# Altium PCB EVK-IRIS-W1.PcbDoc (part 5 of 9) (continued)
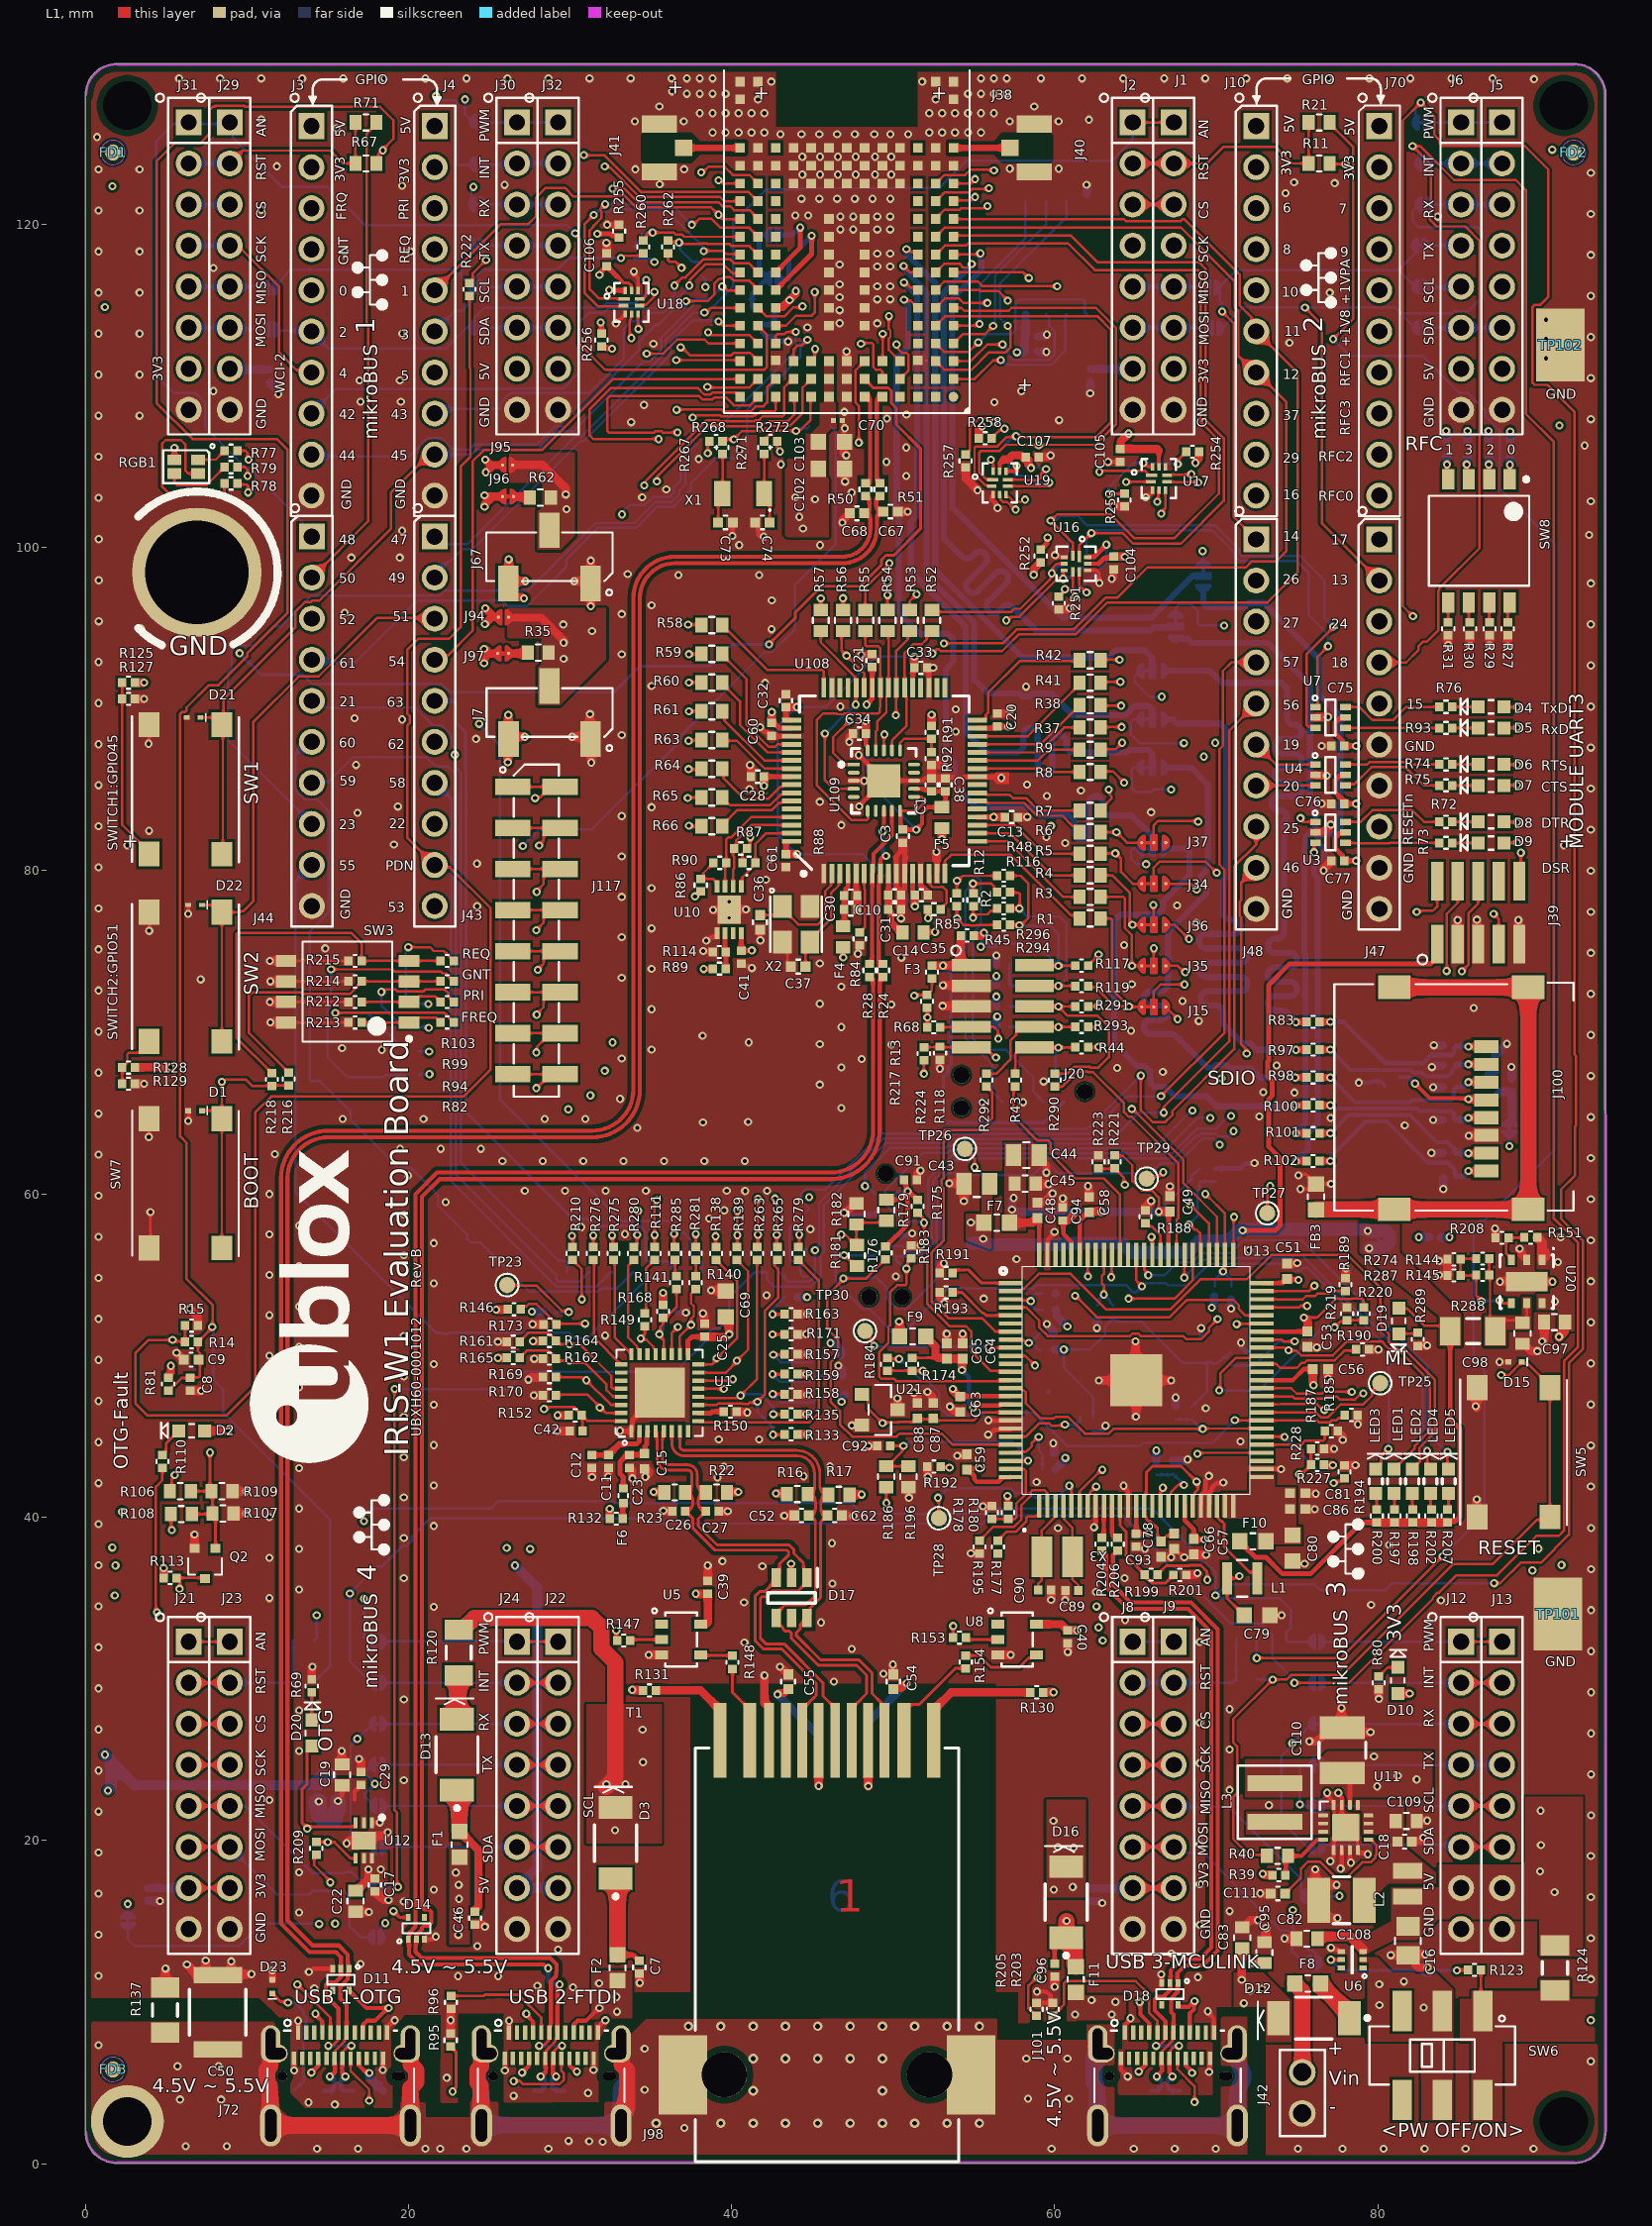
[diagram p0: L1 view]
## Nets (pads, with @x,y where several pads share a name; then routed paths per layer and width w, separated by ;. In a path a pad name is that pad's centre, name@x,y a point inside that pad or via, vN(x,y) a via of type N, cw(c..) or ccw(c..) an arc to the next point about the centre after c; other vN are vias at no path point) (continued)
  L6 w0.25: v1(46.963,58.826) 47.033,58.826 47.16,58.699 J33.9@48.893,58.699 J33.9@48.893,58.848 ; v1@78.847,66.878 U9.9@79.507,66.878 ; U9.9@79.441,66.87 79.466,66.895 79.616,66.895 79.691,66.97 80.166,66.97 80.441,66.695 U9.11@80.441,66.67
  L6 w0.277: J33.3@50.163,57.429 50.99,57.429 51.117,57.556 v1(51.179,57.556)
  L6 w0.301: C85.2@41.894,113.303 42.145,113.053 42.582,113.053 C84.2@42.691,112.943 42.706,112.943 42.918,112.731 v1(43.497,112.731) v1@43.551,112.731
  L6 w0.305: R167.2@36.591,52.671 36.604,52.658 37.169,52.658 v1(37.182,52.646) ; 59.598,47.738 59.612,47.752 ; R240.1@62.364,45.195 62.745,45.195 v1@63.168,45.618 ; v1(69.061,51.689) 69.064,51.686 69.064,51.159 69.067,51.156 ; R250.1@69.944,61.567 71.499,61.567 71.793,61.861 72.324,61.861 v1(72.363,61.9) ; v1(71.525,50.8) 71.564,50.761 71.564,50.499 71.794,50.269 R247.2@71.88,50.269
  L6 w0.501: R47.1@56.386,74.213 v2@56.386,74.743 ; C24.2@58.945,113.03 58.945,113.045 58.955,113.055 59.406,113.055 59.507,113.156 v1@59.509,113.156 ; C47.2@58.948,112.099 58.955,112.092 v1(59.485,112.09) v1(59.485,112.09) ; v1(61.974,122.428) 61.976,122.427 61.976,121.888 U2.4@62.004,121.859 ; v1@62.199,109.532 C4.1@62.2,110.221
  L6 w0.508: C6.1@3.873,16.251 v1@4.619,16.251 ; C2.1@11.405,110.205 11.42,110.205 11.426,110.199 11.426,110.184 11.939,109.67 v2@11.939,109.53 ; v1(46.605,49.369) 46.84,49.135 46.84,48.76 R156.2@46.846,48.754 ; v1(59.511,51.943) 59.92,51.533 R236.1@59.92,51.354 ; v1(59.917,44.577) 59.955,44.539 59.955,43.973 R234.2@59.961,43.967 ; R232.1@60.036,53.829 60.036,53.814 R232.1@60.042,53.808 ; C5.1@62.2,16.226 62.832,16.226 cw(c62.832,16.12) v1(62.938,16.12) ; v1(62.609,51.689) 62.609,52.186 R238.2@62.635,52.211 ; R230.2@67.295,43.489 68.151,43.489 v1(68.223,43.561) ; R242.2@67.486,46.869 v1(67.486,47.396) ; v1(70.917,52.895) R245.1@70.917,53.478 ; v1(83.31,62.535) C113.2@84.034,62.535 ; v1(83.336,67.843) 83.437,67.945 C100.2@83.996,67.945 ; v1(83.412,64.567) C112.2@84.034,64.567 ; v1(83.412,66.599) C101.2@84.034,66.6 C101.2@84.034,66.6 ; v1(83.463,69.19) 83.467,69.185 84.028,69.185 84.034,69.179 C99.2@84.034,69.164 ; C114.2@84.034,61 84.04,60.994 84.04,60.306 v1(84.047,60.3) ; C71.2@86.841,67.373 87.041,67.373 87.262,67.594 87.262,68.595 v1@87.959,69.291 ; v1@88.268,67.839 88.268,67.132 88.274,67.126 C72.2@88.289,67.126
  other v1: 13.818,3.785 26.518,4.191 31.115,4.369 22.377,5.309 22.612,8.871 77.695,18.254 77.06,18.711 18.238,21.106 73.254,22.174 79.578,34.569 60.648,34.851 83.896,34.849 59.772,34.877 78.938,36.603 43.688,37.106 75.467,37.118 80.696,38.278 60.198,39.319 58.877,42.164 71.501,44.679 63.143,45.644 78.763,45.742 69.34,46.736 86.054,46.863 80.034,50.368 64.995,50.868 32.182,51.232 55.601,53.518 42.164,53.721 87.552,54.566 90.803,54.566 50.163,54.889 57.633,55.956 72.009,56.515 33.399,57.506 44.88,57.81 30.707,57.937 38.606,58.471 39.546,58.979 40.842,60.173 77.093,60.621 51.689,61.437 3.933,63.517 81.661,64.236 6.372,64.507 55.499,65.666 58.039,65.666 78.815,66.878 59.309,66.954 88.264,67.851 18.359,68.91 15.895,69.012 87.98,69.28 7.146,73.266 50.509,74.613 14.854,75.184 42.127,79.439 42.381,80.709 3.957,82.461 65.966,83.609 41.111,85.027 48.214,85.551 47.869,87.141 76.521,87.705 42.078,91.611 60.931,96.232 40.05,100.7 34.466,103.099 35.965,103.581 43.051,105.131 63.295,105.283 37.971,105.461 59.739,105.681 40.486,105.994 47.013,107.361 46.976,108.371 90.403,111.687 90.403,112.881 59.511,113.157 44.699,113.604 32.841,113.86 46.685,113.868 49.017,113.858 90.403,114.075 46.685,114.668 49.017,115.344 49.817,115.344 46.685,115.468 49.017,116.144 49.817,116.144 46.685,116.268 33.956,117.06 49.017,117.376 49.817,117.376 46.685,117.5 49.017,118.176 49.817,118.176 32.254,118.838 46.731,119.662 47.531,119.662 49.017,119.662 49.817,119.662 32.305,119.956 46.731,120.462 47.531,120.462 49.017,120.462 49.817,120.462 43.946,120.529 44.746,120.529 44.331,121.562 45.431,121.562 46.531,121.562 47.631,121.562 48.731,121.562 49.831,121.562 35.555,122.46 44.381,123.062 45.481,123.062 46.581,123.062 47.681,123.062 48.881,123.062 49.881,123.062 34.046,123.388 37.069,123.388 57.222,123.424 60.244,123.424 44.381,124.162 45.481,124.162 46.581,124.162 47.681,124.162 48.881,124.162 49.881,124.162 43.031,125.562 44.331,125.562 45.431,125.562 46.531,125.562 47.631,125.562 48.831,125.562 49.831,125.562 50.931,125.562 41.231,125.662 42.031,125.662 52.231,125.662 53.031,125.662 53.831,125.662 34.017,126.35 37.04,126.35 57.217,126.35 60.24,126.35 62.112,126.454 38.031,126.862 38.831,126.862 39.631,126.862 40.431,126.862 41.231,126.862 42.031,126.862 52.231,126.862 53.031,126.862 53.831,126.862 54.631,126.862 55.431,126.862 56.231,126.862 35.531,127.278 58.731,127.278 41.631,127.712 52.631,127.712 37.231,128.062 38.031,128.062 38.831,128.062 39.631,128.062 54.631,128.062 55.431,128.062 56.231,128.062 57.031,128.062 42.462,128.812 51.8,128.812
  other v2: 75.047,0.92 77.807,0.92 80.347,0.92 82.887,0.92 85.427,0.92 89.627,0.92 93.174,6.328 93.174,8.868 93.174,11.408 0.822,11.62 93.174,13.948 0.822,14.16 93.174,16.488 0.822,16.7 93.174,19.028 0.822,19.24 93.193,21.539 0.822,21.78 93.193,24.079 0.822,24.32 93.193,26.619 0.822,26.86 93.193,29.159 0.822,29.4 93.193,31.699 0.822,31.94 93.193,34.239 0.822,34.48 93.193,36.779 0.822,37.02 93.193,39.319 0.822,39.56 93.174,41.888 0.822,42.1 93.174,44.428 0.822,44.64 93.174,46.968 0.822,47.18 93.174,49.508 0.822,49.72 93.174,52.048 0.822,52.26 93.174,54.588 0.822,54.8 93.174,57.128 0.822,57.34 93.174,59.668 0.822,59.88 93.174,62.208 0.822,62.42 93.174,64.748 0.822,64.96 93.174,67.288 0.822,67.5 93.174,69.828 0.822,70.04 85.925,71.492 93.174,72.368 0.822,72.58 56.388,74.744 93.174,74.908 0.822,75.12 93.174,77.448 0.822,77.66 24.257,77.798 93.174,79.988 0.822,80.2 24.247,80.43 2.607,81.567 91.507,81.567 19.106,81.604 93.174,82.528 0.822,82.74 16.847,83.577 19.349,83.963 93.174,85.068 0.822,85.28 16.761,86.536 93.174,87.608 0.822,87.82 24.185,88.148 19.618,89.344 16.675,89.424 93.174,90.148 0.822,90.36 58.226,91.376 93.174,92.688 0.822,92.9 42.478,94.932 93.174,95.228 0.837,95.423 16.062,95.948 42.492,96.715 93.174,97.768 0.837,97.963 16.469,99.364 19.466,99.364 0.837,100.503 93.076,100.761 19.618,101.028 93.174,102.848 0.822,103.06 0.822,105.6 92.796,106.298 33.786,107.742 60.271,107.865 93.174,107.928 0.822,108.14 3.362,108.14 34.584,108.81 56.257,108.983 11.947,109.486 7.934,109.664 57.933,109.663 93.174,110.468 0.822,110.68 3.362,110.68 35.164,112.597 93.174,113.008 0.822,113.22 3.362,113.22 19.618,113.22 93.174,115.548 0.822,115.76 3.362,115.76 77.022,115.76 7.934,117.284 93.174,118.088 0.822,118.3 3.362,118.3 16.062,118.3 20.126,118.3 83.702,120.459 93.174,120.628 0.822,120.84 3.362,120.84 10.89,120.883 74.278,121.907 19.618,122.364 25.961,122.423 77.328,122.529 74.813,122.58 93.174,123.168 0.822,123.38 3.362,123.38 11.853,123.575 0.727,125.38 15.554,125.92 10.89,126.471 36.319,128.212 89.659,128.966 5.81,129.011 8.35,129.011 10.89,129.011 13.43,129.011 15.97,129.011 18.51,129.011 21.05,129.011 23.59,129.011 26.13,129.011 28.67,129.011 31.21,129.011 33.75,129.011 36.29,129.011 37.23,129.011 38.03,129.011 38.83,129.011 55.432,129.011 56.232,129.011 57.032,129.011 59.15,129.011 61.69,129.011 64.23,129.011 66.77,129.011 69.31,129.011 71.85,129.011 74.39,129.011 76.93,129.011 79.47,129.011 82.01,129.011 84.55,129.011 87.09,129.011
  other v3: 15.454,3.659 14.176,10.848 30.18,10.911 27.99,10.995 68.864,11.536 23.065,11.601 25.565,11.601 17.038,12.358 67.216,12.996 29.268,13.238 24.277,13.445 68.97,14.777 13.238,15.529 70.813,15.618 19.721,16.213 21.564,16.953 68.97,17.277 13.238,18.029 68.97,19.777 11.395,22.486 70.813,23.118 19.721,23.713 68.97,24.777 13.238,25.529 70.813,25.618 68.97,27.277 13.238,28.029 70.813,28.118 19.721,28.713 46.329,29.826 49.401,30.303 47.432,31.844 40.799,32.231 68.97,32.277 45.543,33.481 64.347,33.634 21.564,34.453 40.774,34.73 11.395,34.986 62.548,35.369 13.238,35.529 46.234,35.884 19.721,36.213 64.324,36.227 41.907,36.959 39.427,37.278 11.395,37.486 13.238,38.029 46.205,38.384 19.721,38.713 21.564,39.453 11.395,39.986 13.238,40.529 19.721,41.213 21.564,41.953 39.124,42.436 44.456,42.523 13.238,43.029 39.527,43.112 46.09,43.136 19.721,43.713 21.564,44.453 39.21,44.798 41.71,44.798 11.395,44.986 13.238,45.529 19.721,46.213 21.564,46.953 11.395,47.486 13.238,48.029 19.721,48.713 21.564,49.453 11.395,49.986 13.238,50.529 19.721,51.213 11.395,52.486 13.238,53.029 21.564,54.453 11.395,54.986 13.238,55.529 19.721,56.213 21.564,56.953 11.395,57.486 13.238,58.029 19.721,58.713 22.311,59.475 11.395,59.986 27.2,60.191 29.7,60.191 32.2,60.191 34.7,60.191 39.7,60.191 42.2,60.191 19.975,61.126 25.816,62.035 28.316,62.035 30.816,62.035 33.316,62.035 35.816,62.035 38.316,62.035 40.816,62.035 11.727,62.464 19.493,62.782 21.993,62.782 24.493,62.782 34.162,64.078 38.227,64.414 41.021,64.44 15.942,64.626 20.942,64.626 28.442,64.626 30.942,64.626 77.062,64.694 72.668,64.795 46.787,65.316 33.107,65.875 74.827,66.269 72.896,66.294 45.462,66.757 66.694,67.549 63.854,67.793 46.787,67.816 73.735,67.945 48.04,68.341 33.201,68.373 35.045,68.919 49.884,69.221 45.462,69.257 41.072,69.367 38.202,69.774 64.718,70.079 46.787,70.316 68.909,70.688 35.045,71.419 49.884,71.721 45.462,71.757 67.918,71.933 46.787,72.816 64.768,72.974 33.201,73.373 35.045,73.919 45.462,74.257 64.286,75.387 33.201,75.873 35.045,76.419 68.756,76.759 67.564,77.85 33.201,78.373 35.045,78.919 33.201,80.873 60.654,81.712 59.485,82.067 46.787,82.816 33.201,83.373 35.045,83.919 45.462,84.257 59.511,84.607 61.615,84.945 58.291,85.319 33.201,88.373 53.872,88.595 53.872,89.967 46.734,90.145 35.045,91.419 33.201,93.373 33.201,95.873 35.045,96.419 49.63,97.866 36.702,98.291 41.702,98.291 33.571,98.346 40.469,100.134 45.469,100.134 47.427,103.387 50.798,104.419 49.579,105.283 50.798,106.172 49.605,107.975 50.824,108.204 17.033,109.002 19.533,109.002 16.971,110.329 19.471,110.329 74.517,112.662
  other v5: 38.831,125.662 39.631,125.662 40.431,125.662 54.631,125.662 55.431,125.662
  other v6: 39.845,77.077 39.845,78.077
  other v7: 3.407,94.95
GPIO0_U0-CTS-CS-SDA: J3.5 J29.3 J31.3 J38.M11 R38.2 | length 97.5
  L1 w0.152: v1(32.635,122.191) 33.36,122.191 34.198,121.353 39.187,121.353 39.429,121.111 39.912,121.111 40.17,120.853 41.128,120.853 41.22,120.762 41.407,120.573 41.407,120.536 41.671,120.273 J38.M11@41.708,120.273 ; R38.2@62.834,90.231 62.864,90.202 v1(64.11,90.202)
  L4 w0.152: J29.3@8.945,121.208 8.945,121.054 14.005,115.994 J3.5@14.005,115.899 14.329,115.899 15.676,117.246 30.123,117.246 30.987,118.11 30.987,121.235 31.943,122.191 v1(32.635,122.191) 32.635,122.1 34.64,120.095 37,120.095 37.341,120.436 37.739,120.436 38.08,120.095 39.837,120.095 41.817,118.115 47.418,118.115 47.932,117.601 47.932,113.626 46.635,112.329 46.635,111.917 50.348,108.204 50.348,107.722 54.738,103.331 54.738,103.056 55.955,101.839 55.955,97.384 63.137,90.202 v1(64.11,90.202)
  L6 w0.15: J31.3@6.405,121.208 J29.3@8.945,121.208
GPIO1_U0-SPI-WP: J4.5 J38.N11 R41.2 | length 69.1
  L1 w0.152: J4.5@21.625,115.899 25.716,119.99 27.406,119.99 27.9,120.484 27.9,121.627 28.507,122.234 29.69,122.234 30.219,121.706 32.347,121.706 32.352,121.711 32.834,121.711 32.883,121.759 33.364,121.759 34.073,121.05 38.715,121.05 v1(39.19,120.575) 39.467,120.298 J38.N11@40.542,120.298 ; R41.2@62.834,91.623 62.886,91.675 v1(64.059,91.675)
  L4 w0.152: v1(39.19,120.575) 39.279,120.575 39.457,120.397 39.962,120.397 41.942,118.417 47.544,118.417 48.247,117.713 48.234,117.7 48.234,113.5 47.521,112.787 47.521,112.389 47.894,112.016 48.205,112.016 55.701,104.521 55.701,102.521 56.257,101.965 56.257,97.509 62.091,91.675 v1(64.059,91.675)
GPIO2: J38.M10 U18.1 | length 18.8
  L1 w0.152: v1(32.178,121.226) 31.895,120.942 31.895,120.816 31.947,120.764 31.947,120.366 31.469,119.888 31.469,119.849 31.215,119.596 31.215,115.976 31.808,115.383 33.334,115.383 U18.1@33.363,115.355 ; v1(37.54,119.956) 37.636,119.956 38.026,120.345 38.741,120.345 39.321,119.765 41.102,119.765 41.407,119.459 41.407,119.436 41.638,119.206 J38.M10@41.661,119.206
  L6 w0.152: v1(32.178,121.226) 36.27,121.226 v1(37.54,119.956)
GPIO2_FC0_MOSI_SPI_ML: U13.60 U18.5 | length 114.6
  L1 w0.15: U13.60@72.894,46.981 74.035,46.981
  L1 w0.152: v1@34.212,113.564 U18.5@34.212,114.43 ; 74.035,46.981 76.232,46.981 76.441,46.772 76.447,46.772 76.585,46.634 v1(76.681,46.634)
  L3 w0.152: v1(31.266,66.091) 31.266,66.751 31.039,66.978 31.039,86.278 30.758,86.559 30.758,96.507 31.039,96.788 31.039,98.75 30.809,98.979 30.809,99.377 30.91,99.479 30.91,108.274 34.263,111.627 34.263,112.723 34.286,112.746 34.286,113.144 34.271,113.159 34.271,113.471 v1(34.238,113.504)
  L4 w0.152: v1(31.266,66.091) 31.875,66.7 40.842,66.7 41.75,65.792 50.439,65.792 52.226,64.006 67.332,64.006 67.369,63.968 67.469,63.968 69.761,61.676 70.123,61.676 72.407,59.392 72.987,59.392 76.33,56.049 76.33,55.75 77.9,54.18 77.9,47.427 77.164,46.691 76.737,46.691 v1(76.681,46.634)
GPIO2_U0-RxD-MOSI-SCL-TRX: J3.6 J27.1 J84.1 J85.1 R9.2 U18.7 | length 94.4
  L1 w0.152: U18.7@34.312,115.355 34.502,115.355 34.718,115.571 v1@34.718,116.501 ; R9.2@62.834,87.477 62.866,87.509 63.771,87.509 v1(64.17,87.909)
  L3 w0.15: J3.6@14.004,113.198 16.337,115.531 16.337,117.14 21.478,122.281 v1@24.047,122.281
  L4 w0.152: v1(34.72,116.552) 35.363,116.552 36.55,117.739 36.676,117.739 36.706,117.769 41.101,117.769 42.058,116.812 45.488,116.812 45.511,116.789 45.617,116.789 45.898,116.508 45.898,116.402 46.03,116.27 46.03,110.199 47.456,108.773 47.456,107.597 48.358,106.696 48.358,105.336 51.004,102.69 51.099,102.69 51.38,102.409 51.38,102.314 55.167,98.527 55.167,96.037 62.804,88.401 64.146,88.401 64.235,88.311 64.235,87.973 v1(64.17,87.909)
  L6 w0.15: 11.992,113.413 13.951,113.413 J3.6@14.005,113.359 15.071,112.293 22.317,112.293 23.794,113.77 ; 23.873,121.208 23.873,122.048 24.026,122.201 v1(24.026,122.298)
  L6 w0.152: 11.935,113.763 11.901,113.665 11.901,113.577 11.915,113.537 11.915,113.449 11.958,113.406 12.072,113.232 ; 23.77,113.569 23.772,113.57 23.844,113.617 J84.1@23.878,113.64 ; 23.808,113.747 J84.1@23.891,113.664 ; J84.1@23.945,113.664 23.945,113.922 ; 24.055,113.984 24.055,114.162 24.715,114.822 31.981,114.822 32.261,115.102 34.055,115.102 34.72,115.767 v1(34.72,116.552) ; J27.1@24.613,121.208 J27.1@24.617,121.212
GPIO3: J38.N10 R259.2 R260.1 | length 8
  L1 w0.152: R260.1@34.54,118.984 34.555,118.984 34.739,119.168 34.739,119.381 34.828,119.47 v1(35.111,119.47) 36.433,119.47 36.56,119.344 36.951,119.344 37.083,119.212 J38.N10@40.531,119.212
  L6 w0.152: R259.2@33.982,118.654 33.997,118.654 34.461,119.118 34.461,119.381 34.55,119.47 v1(35.111,119.47)
GPIO3_FC0_MISO_SPI_ML: R259.1 U13.62 | length 117.8
  L1 w0.15: U13.62@72.816,47.977 74.63,47.977 74.97,47.637 76.541,47.637 76.656,47.752 v1(78.383,47.752)
  L3 w0.152: v1(32.155,67.615) 32.155,68.081 31.656,68.58 31.656,86.344 31.952,86.639 31.952,108.509 35.644,112.201 35.644,114.693 35.709,114.758 35.709,116.477 35.23,116.956 v1(35.23,117.653)
  L4 w0.152: v1(32.155,67.615) 32.206,67.666 42.34,67.666 43.636,66.37 45.176,66.37 45.354,66.192 56.769,66.192 58.344,64.618 64.297,64.618 64.444,64.47 66.875,64.47 66.997,64.592 67.461,64.592 70.075,61.978 70.248,61.978 72.532,59.695 73.112,59.695 76.633,56.174 76.633,55.879 78.507,54.004 78.507,47.973 78.383,47.848 v1(78.383,47.752)
  L6 w0.152: R259.1@33.982,117.854 34.933,117.854 35.134,117.653 v1(35.23,117.653)
GPIO3_U0-TxD-MISO: J4.6 J25.1 J80.1 J83.1 R37.2 R260.2 | length 85
  L1 w0.152: v1(33.16,117.898) 33.257,117.898 33.398,118.04 34.396,118.04 R260.2@34.54,118.184 ; R37.2@62.834,88.854 62.861,88.881 v1(64.135,88.881)
  L4 w0.152: v1(33.16,117.898) 33.228,117.966 33.228,118.141 33.696,118.608 36.329,118.608 36.554,118.383 37.301,118.383 37.728,118.81 40.487,118.81 42.026,117.272 45.562,117.272 45.689,117.145 46.362,117.145 46.486,117.02 46.613,117.02 47.244,116.389 47.244,113.365 46.333,112.454 46.333,111.791 47.165,110.959 47.165,109.491 47.758,108.898 47.758,108.222 55.497,100.482 55.497,96.135 62.683,88.949 64.067,88.949 v1(64.135,88.881)
  L6 w0.15: J80.1@11.829,116.135 11.833,116.14 11.836,116.143 11.856,116.168 11.937,116.268 12.667,117.174 22.827,117.174 23.278,116.723 ; 23.278,116.727 23.743,116.262 ; 23.791,116.244 23.81,116.318 23.813,116.327 23.812,116.321 23.808,116.287
  L6 w0.152: 11.829,116.488 11.805,116.417 11.797,116.393 11.797,116.277 11.815,116.26 11.815,116.164 11.836,116.143 11.862,116.117 11.876,116.096 11.967,115.957 ; J4.6@21.625,113.359 22.896,114.63 23.307,114.63 23.928,115.251 23.928,115.377 23.927,115.378 23.927,115.62 23.873,115.674 23.873,115.754 23.873,115.808 J83.1@23.873,116.128 ; 23.278,116.723 23.278,116.727 23.278,118.601 23.345,118.668 J25.1@23.871,118.668 J25.1@23.901,118.668 ; 23.77,116.109 23.797,116.126 23.797,116.233 23.825,116.261 ; J83.1@23.931,116.107 23.931,116.46 23.931,116.5 24.593,117.162 29.211,117.162 29.947,117.898 v1(33.16,117.898)
GPIO4: J38.M9 R261.1 R262.1 | length 8
  L1 w0.152: R262.1@36.064,118.984 36.147,118.901 v1@36.752,118.901 ; v1(36.752,118.863) 36.821,118.795 36.986,118.795 37.02,118.762 38.029,118.762 38.078,118.81 38.475,118.81 38.524,118.762 39.878,118.762 40.001,118.638 41.105,118.638 J38.M9@41.631,118.112
  L6 w0.152: v1(36.752,118.863) 36.821,118.795 36.821,118.422 37.589,117.654 R261.1@38.093,117.654
GPIO4-FC0_SCK_SPI_ML: R261.2 U13.61 | length 118.9
  L1 w0.15: U13.61@72.894,47.464 74.719,47.464 74.845,47.337 76.665,47.337 76.78,47.452 77.471,47.452 77.65,47.273 78.581,47.273 78.838,47.529 78.876,47.529 78.997,47.65 v1(79.094,47.65)
  L3 w0.15: 36.678,114.049 37.846,115.217 37.846,115.57 v1(38.379,116.104)
  L3 w0.152: v1(32.637,69.367) 32.637,102.127 32.942,102.431 32.942,108.782 36.374,112.213 36.374,112.569 36.678,112.873 36.678,114.049
  L4 w0.152: v1(32.637,69.367) 32.734,69.367 32.886,69.215 34.667,69.215 34.847,69.395 35.242,69.395 35.397,69.24 40.525,69.24 40.875,68.891 41.269,68.891 41.415,69.037 43.636,69.037 45.439,67.234 48.541,67.234 48.825,66.95 52.101,66.95 52.399,67.247 52.399,67.925 52.696,68.222 54.993,68.222 56.682,66.533 57.851,66.533 58.519,65.865 58.519,65.585 58.972,65.132 64.21,65.132 64.569,64.772 64.967,64.772 65.699,65.504 66.949,65.504 67.226,65.227 67.34,65.227 70.287,62.281 70.374,62.281 72.657,59.997 74.242,59.997 79.094,55.145 v1(79.094,47.65)
  L6 w0.15: R261.2@38.093,116.854 38.108,116.854 38.379,116.582 v1(38.379,116.104)
GPIO4-U0-CLK: J3.7 J29.4 J31.4 R8.2 R262.2 | length 98.7
  L1 w0.15: J29.4@8.945,118.668 9.223,118.391 9.729,118.391 12.003,116.117 12.003,112.039 13.068,110.973 14.116,110.973 J3.7@14.201,110.888 ; R8.2@62.834,86.1 62.872,86.138 63.605,86.138 v1(64.297,85.445)
  L1 w0.152: R262.2@36.064,118.184 36.064,117.762 36.154,117.673 36.52,117.673 v1(36.905,117.289)
  L4 w0.15: 45.859,95.732 46.38,95.732 49.271,92.84 49.271,92.063 54.569,86.766 58.278,86.766 59.213,85.831 63.912,85.831 v1(64.297,85.445)
  L4 w0.152: J3.7@14.005,110.819 15.159,109.665 29.634,109.665 29.691,109.722 31.546,109.722 34.718,112.894 34.718,114.246 35.872,115.401 35.872,116.277 36.884,117.289 v1(36.905,117.289) 37.517,116.677 39.56,116.677 39.727,116.51 45.363,116.51 45.728,116.145 45.728,110.073 46.379,109.423 46.379,100.137 44.993,98.752 44.993,96.582 45.843,95.732 45.859,95.732
  L6 w0.15: J31.4@6.431,118.672 J29.4@8.971,118.672 ; v1@36.776,117.289 v1(36.905,117.289)
GPIO5: J38.N9 U18.2 | length 18.5
  L1 w0.15: v1(31.467,120.565) 30.914,120.012 30.914,115.718 31.739,114.894 32.994,114.894 33.016,114.916 33.273,114.916 U18.2@33.312,114.955 ; v1@38.262,118.342 39.349,118.342 39.464,118.342 39.667,118.139 40.504,118.139 J38.N9@40.531,118.112
  L6 w0.15: v1(31.467,120.565) 31.752,120.85 31.876,120.85 31.98,120.747 32.377,120.747 32.554,120.924 35.908,120.924 37.061,119.772 37.061,119.757 37.341,119.477 37.356,119.477 38.208,118.625 38.208,118.398 v1(38.276,118.33)
GPIO5_FC0_SSELN1_SPI_ML: U13.74 U18.4 | length 107
  L1 w0.15: U13.74@72.816,53.977 75.727,53.977 76.063,54.313 v1(76.069,54.313)
  L1 w0.152: v1(33.806,112.945) 33.806,113.041 33.704,113.143 33.704,114.06 33.752,114.108 33.752,114.188 33.774,114.21 33.774,114.392 U18.4@33.812,114.43
  L3 w0.152: v1(29.894,65.227) 29.894,67.695 29.514,68.076 29.514,87.795 29.005,88.303 29.005,103.64 29.486,104.121 29.486,107.129 29.514,107.156 29.514,107.305 30.292,108.083 30.292,108.362 33.806,111.877 v1(33.806,112.945)
  L4 w0.152: v1(29.894,65.227) 29.99,65.227 30.116,65.102 46.328,65.102 46.59,64.84 46.984,64.84 47.448,65.303 50.5,65.303 52.1,63.703 67.207,63.703 69.536,61.374 69.888,61.374 72.171,59.09 72.861,59.09 76.028,55.924 76.028,54.354 v1(76.069,54.313)
GPIO5_U0-RTS: J4.7 U18.6 | length 18.9
  L1 w0.15: U18.6@34.312,114.955 34.351,114.994 34.688,114.994 35.201,115.507 v1@35.201,115.841
  L4 w0.15: J4.7@21.625,110.819 22.422,110.023 31.421,110.023 33.327,111.929 33.327,113.643 35.167,115.484 35.167,115.762 v1@35.201,115.795
  other v1: 35.228,115.8
GPIO6_U1-CTS-CS: J8.3 J9.3 J15.3 | length 81.2
  L1 w0.15: J8.3@64.825,27.208 J9.3@67.365,27.208 ; J15.3@66.879,71.565 v2@67.683,70.76
  L3 w0.15: J9.3@67.365,27.208 67.758,27.208 68.164,26.802 69.167,26.802 69.647,27.282 69.647,27.686 72.734,30.773 88.429,30.773 89.178,31.521 89.178,36.407 89,36.584 89,46.491 89.248,46.74 89.248,56.806 85.124,60.931 82.647,60.931 76.862,66.716 76.581,66.996 76.478,67.1 76.478,67.386 75.343,68.521 75.219,68.521 75.123,68.425 74.726,68.425 74.445,68.706 74.445,68.987 73.379,70.053 68.355,70.053 v2(67.601,70.808)
GPIO6_U1-CTS-CS_JTAG-TCK: J10.3 J15.2 J38.B14 | length 83
  L1 w0.15: J15.2@66.128,71.565 66.128,72.524 66.558,72.954 v2(68.031,72.954)
  L1 w0.152: J38.B14@52.631,122.512 52.855,122.736 52.866,122.736 53.169,123.038 54.125,123.038 ; 54.126,123.038 54.459,123.038 54.775,123.354 56.202,123.354 v1(56.24,123.316)
  L3 w0.15: v2(68.031,72.954) 68.031,73.05 67.91,73.171 67.91,73.21 67.258,73.862 67.258,74.745 65.589,76.414 65.589,78.234 70.845,83.49 71.796,83.49 72.041,83.734 73.039,83.734 76.271,86.966 76.271,87.278 76.042,87.507 76.042,87.903 76.271,88.132 76.271,92.503 76.402,92.634 76.402,110.449 76.478,110.526 76.478,116.967 J10.3@72.465,120.979
  L4 w0.152: v1(56.24,123.316) 56.612,122.944 57.421,122.944 57.702,123.226 57.702,123.744 59.206,125.247 68.197,125.247 J10.3@72.465,120.979
GPIO7_U1-CLK: J8.4 J9.4 J34.3 | length 102.1
  L1 w0.15: J8.4@64.825,24.668 J9.4@67.365,24.668 ; J34.3@66.879,79.185 68.413,79.185 v2(68.782,78.816)
  L3 w0.15: J9.4@67.365,24.668 72.526,19.507 79.058,19.507 79.173,19.622 79.57,19.622 79.685,19.507 83.615,19.507 85.211,21.103 88.11,21.103 92.392,25.385 92.392,61.784 86.077,68.099 86.077,68.208 85.726,68.56 85.471,68.56 85.119,68.912 85.119,69.057 80.008,74.168 72.415,74.168 68.782,77.802 v2(68.782,78.816)
GPIO7_U1-CLK_JTAG-TMS: J34.2 J38.A14 J70.3 | length 92
  L1 w0.152: J38.A14@53.731,122.512 54.805,122.512 55.068,122.775 v1(55.072,122.775) ; J34.2@66.128,79.185 66.12,79.193 66.12,80.184 66.479,80.543 69.34,80.543 v2(70.026,79.858)
  L3 w0.152: v2(70.026,79.858) 70.788,79.096 76.458,79.096 78.558,81.195 82.211,81.195 84.201,83.185 84.201,93.416 83.793,93.823 83.793,106.95 83.743,107.001 83.743,107.398 84.119,107.775 84.119,116.553 84.201,116.635 84.201,116.863 J70.3@80.085,120.979
  L4 w0.152: v1(55.072,122.775) 55.168,122.775 55.301,122.642 55.683,122.642 55.731,122.69 56.129,122.69 56.177,122.642 57.591,122.642 59.723,124.774 68.113,124.774 71.386,121.501 71.386,120.607 72.04,119.953 72.934,119.953 73.127,119.761 77.273,119.761 78.491,120.979 J70.3@80.085,120.979 J70.3@80.112,120.979
GPIO8_U1-TxD-MISO-SCL-WS: J11.1 J16.1 J35.3 J73.1 | length 96.5
  L1 w0.15: J35.3@66.879,74.105 67.61,74.105 v2@68.009,73.706
  L3 w0.15: v2(68.082,73.716) 69.998,71.8 76.586,71.8 82.574,65.811 82.574,64.745 82.933,64.385 82.933,64.368 83.214,64.088 83.231,64.088 85.429,61.889 87.759,61.889 90.6,59.047 90.6,55.526 91.689,54.437 91.689,49.628 91.108,49.047 91.108,38.116 90.028,37.036 90.028,36.911 90.038,36.901 90.038,30.651 88.013,28.626 82.998,28.626 82.078,27.706 77.547,27.706 77.415,27.838 74.522,27.838 74.005,27.321 74.005,23.377 v1(75.168,22.215)
  L4 w0.15: v1(75.168,22.215) 75.168,16.99 75.597,16.561 v1(77.621,16.561)
  L6 w0.15: J11.1@75.905,22.128 75.29,22.128 75.163,22.255 75.163,23.525 75.189,23.55 75.189,24.49 75.366,24.668 J16.1@75.919,24.668 ; J73.1@76.01,16.535 76.185,16.535 77.595,16.535 v1(77.621,16.561)
GPIO8_U1-TxD-MISO-SCL-WS_JTAG-TDI: J10.4 J35.2 J38.B12 | length 74.7
  L1 w0.15: J35.2@66.128,74.105 66.128,75.181 v1(66.136,75.189)
  L1 w0.152: J38.B12@52.631,121.412 53.106,121.887 53.115,121.887 53.178,121.949 54.667,121.949 54.873,122.155 55.875,122.155 v1(55.93,122.21)
  L3 w0.152: v1(66.136,75.189) 65.288,76.038 65.288,78.358 70.72,83.791 71.05,83.791 71.139,83.88 71.139,87.552 71.439,87.852 71.439,88.214 72.04,88.816 72.914,88.816 73.492,89.394 73.492,90.105 75.97,92.583 75.97,116.243 74.323,117.89 73.37,117.89 72.82,118.439 J10.4@72.465,118.439
  L4 w0.152: v1(55.93,122.21) 56.026,122.21 56.156,122.339 59.839,122.339 60.892,123.393 63.729,123.393 64.4,122.722 67.79,122.722 71.694,118.818 ; 71.695,118.818 72.074,118.439 J10.4@72.465,118.439